# Altium PCB AMS_Remote_Module_A1.PcbDoc (part 2 of 3) (continued)
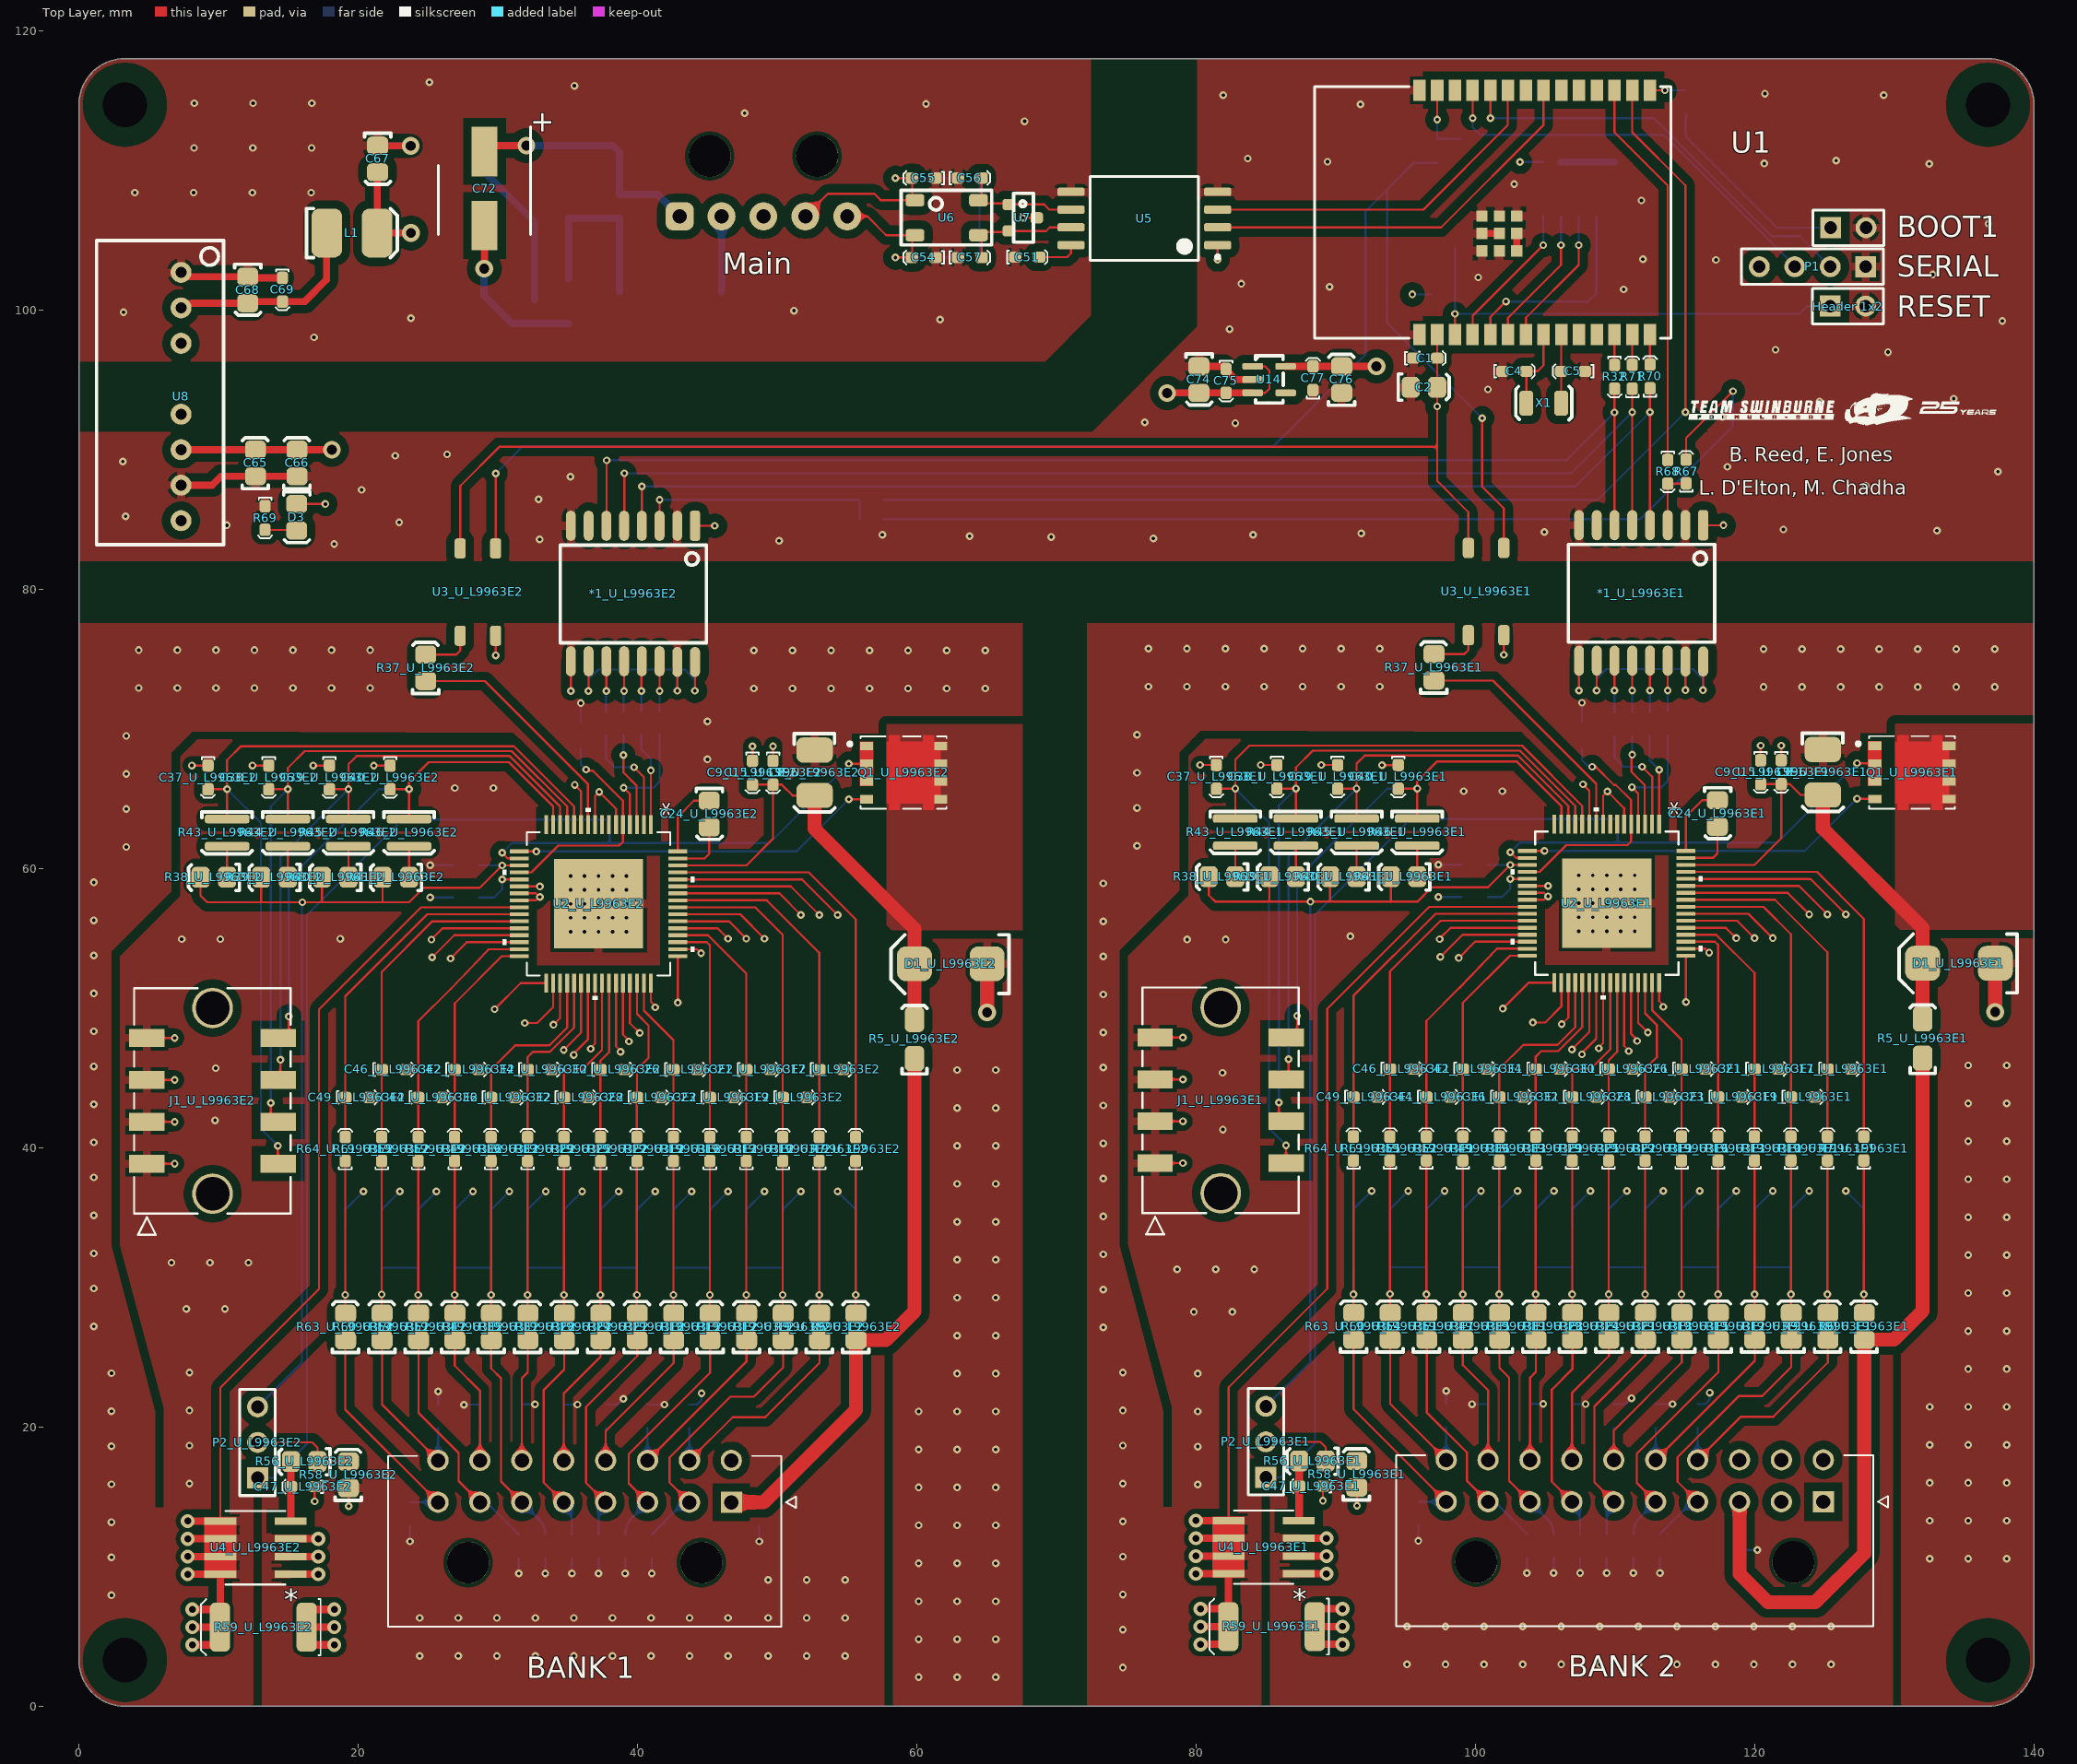
[diagram p0: Top Layer view]
## Nets (pads, with @x,y where several pads share a name; then routed paths per layer and width w, separated by ;. In a path a pad name is that pad's centre, name@x,y a point inside that pad or via, vN(x,y) a via of type N, cw(c..) or ccw(c..) an arc to the next point about the centre after c; other vN are vias at no path point) (continued)
B8_7_U_L9963E2: R28_U_L9963E2.2 R29_U_L9963E2.1 U2_U_L9963E2.44 | length 34.3
  Top Layer w0.152: R29_U_L9963E2.1@37.349,39.053 v1(37.348,29.464) 37.348,28.132 R28_U_L9963E2.2@37.364,28.116 ; U2_U_L9963E2.44@38.961,51.791 38.961,48.102 39.391,47.673 v1(39.391,47.613)
  Layer 2 w0.152: v1(37.348,29.464) 37.348,42.936 39.391,44.979 v1(39.391,47.613)
B10_9_U_L9963E1: R21_U_L9963E1.2 R22_U_L9963E1.1 U2_U_L9963E1.49 | length 35.3
  Top Layer w0.152: R22_U_L9963E1.1@114.757,39.091 114.756,29.502 114.756,28.174 R21_U_L9963E1.2@114.776,28.154 ; v1(115.075,50.432) U2_U_L9963E1.49@115.075,53.755
  Layer 2 w0.152: v1(114.756,29.502) 114.756,49.287 115.075,49.606 v1(115.075,50.432)
B10_9_U_L9963E2: R21_U_L9963E2.2 R22_U_L9963E2.1 U2_U_L9963E2.49 | length 35.3
  Top Layer w0.152: R22_U_L9963E2.1@42.57,39.053 42.569,29.464 42.569,28.136 R21_U_L9963E2.2@42.589,28.116 ; v1(42.888,50.394) U2_U_L9963E2.49@42.888,53.717
  Layer 2 w0.152: v1(42.569,29.464) 42.569,49.249 42.888,49.568 v1(42.888,50.394)
B12_11_U_L9963E1: R15_U_L9963E1.2 R16_U_L9963E1.1 U2_U_L9963E1.54 | length 41.9
  Top Layer w0.152: U2_U_L9963E1.54@115.075,56.255 118.735,56.255 v1(119.977,55.013) ; R16_U_L9963E1.1@119.977,39.091 v1(119.977,29.502) 119.977,28.178 R15_U_L9963E1.2@120.003,28.154
  Layer 2 w0.152: v1(119.977,29.502) v1(119.977,55.013)
B12_11_U_L9963E2: R15_U_L9963E2.2 R16_U_L9963E2.1 U2_U_L9963E2.54 | length 41.9
  Top Layer w0.152: U2_U_L9963E2.54@42.888,56.218 46.548,56.218 v1(47.79,54.976) ; R16_U_L9963E2.1@47.791,39.053 v1(47.79,29.464) 47.79,28.14 R15_U_L9963E2.2@47.817,28.116
  Layer 2 w0.152: v1(47.79,29.464) v1(47.79,54.976)
B14_13_U_L9963E1: R9_U_L9963E1.2 R10_U_L9963E1.1 U2_U_L9963E1.59 | length 49.1
  Top Layer w0.152: U2_U_L9963E1.59@115.075,58.756 123.164,58.756 v1(125.205,56.715) ; R10_U_L9963E1.1@125.198,39.091 125.199,39.09 v1(125.2,29.502) ; R9_U_L9963E1.2@125.226,28.154 125.2,28.18 v1(125.2,29.502) ; v1(125.2,29.502) v1(125.2,29.502)
  Layer 2 w0.152: v1(125.2,29.502) 125.202,29.504 v1@125.202,56.715
B14_13_U_L9963E2: R9_U_L9963E2.2 R10_U_L9963E2.1 U2_U_L9963E2.59 | length 49.1
  Top Layer w0.152: U2_U_L9963E2.59@42.888,58.718 50.977,58.718 v1(53.018,56.677) ; R10_U_L9963E2.1@53.011,39.053 53.012,39.052 v1(53.013,29.464) v1(53.013,29.464) 53.013,28.143 R9_U_L9963E2.2@53.04,28.116
  Layer 2 w0.152: v1(53.013,29.464) 53.016,29.467 v1@53.016,56.677
BANK_1_Cell_Tap_0: "BANK 1.8" C50_U_L9963E2.2 R63_U_L9963E2.1 | length 16.4
  Top Layer w0.152: R63_U_L9963E2.1@19.076,26.216 19.076,21.248 25.719,14.605
  Bottom Layer w0.152: C50_U_L9963E2.2@23.719,14.605 25.719,14.605
BANK_1_Cell_Tap_1: "BANK 1.16" C48_U_L9963E2.2 R60_U_L9963E2.1 | length 12.6
  Top Layer w0.152: R60_U_L9963E2.1@21.713,26.216 21.712,21.612 25.719,17.605
  Bottom Layer w0.152: 25.719,17.605 C48_U_L9963E2.2@25.719,19.905
BANK_1_Cell_Tap_2: "BANK 1.7" C45_U_L9963E2.2 R54_U_L9963E2.1 | length 17.1
  Top Layer w0.152: R54_U_L9963E2.1@24.323,26.216 24.323,21.016 27.194,18.145 27.194,16.13 28.719,14.605
  Bottom Layer w0.152: 28.719,14.605 cw(c28.719,13.453) 29.533,14.268 C45_U_L9963E2.2@31.496,12.305
BANK_1_Cell_Tap_3: "BANK 1.15" C43_U_L9963E2.2 R51_U_L9963E2.1 | length 11.7
  Top Layer w0.152: R51_U_L9963E2.1@26.914,26.216 26.914,24.394 28.719,22.589 28.719,17.605
  Bottom Layer w0.152: 28.719,17.605 C43_U_L9963E2.2@28.719,19.905
BANK_1_Cell_Tap_4: "BANK 1.6" C41_U_L9963E2.2 R47_U_L9963E2.1 | length 15.5
  Top Layer w0.152: R47_U_L9963E2.1@29.526,26.216 29.526,24.195 30.226,23.495 30.226,16.091 30.315,16.002 30.322,16.002 31.719,14.605
  Bottom Layer w0.152: 31.719,14.605 32.964,13.36 cw(c31.909,12.305) C41_U_L9963E2.2@33.401,12.305
BANK_1_Cell_Tap_5: "BANK 1.14" C35_U_L9963E2.2 R35_U_L9963E2.1 | length 11.1
  Top Layer w0.152: 31.719,17.605 31.719,23.489 32.139,23.909 R35_U_L9963E2.1@32.139,26.216
  Bottom Layer w0.152: 31.719,17.605 C35_U_L9963E2.2@31.719,19.905
BANK_1_Cell_Tap_6: "BANK 1.5" C33_U_L9963E2.2 R31_U_L9963E2.1 | length 15.3
  Top Layer w0.152: 34.719,14.605 33.274,16.05 33.274,22.631 34.752,24.109 R31_U_L9963E2.1@34.752,26.216
  Bottom Layer w0.152: 34.719,14.605 cw(c33.302,13.188) 35.306,13.188 C33_U_L9963E2.2@35.306,12.305
BANK_1_Cell_Tap_7: "BANK 1.13" C31_U_L9963E2.2 R28_U_L9963E2.1 | length 12
  Top Layer w0.152: 34.719,17.605 34.719,22.4 37.364,25.045 R28_U_L9963E2.1@37.364,26.216
  Bottom Layer w0.152: 34.719,17.605 C31_U_L9963E2.2@34.719,19.905
BANK_1_Cell_Tap_8: "BANK 1.4" C29_U_L9963E2.2 R24_U_L9963E2.1 | length 16.1
  Top Layer w0.152: 37.719,14.605 36.322,16.002 36.322,21.438 39.977,25.092 R24_U_L9963E2.1@39.977,26.216
  Bottom Layer w0.152: C29_U_L9963E2.2@37.211,12.305 37.211,13.379 cw(c38.945,13.379) 37.719,14.605
BANK_1_Cell_Tap_9: "BANK 1.12" C27_U_L9963E2.2 R21_U_L9963E2.1 | length 12.9
  Top Layer w0.152: 37.719,17.605 37.719,19.71 42.589,24.581 R21_U_L9963E2.1@42.589,26.216
  Bottom Layer w0.152: 37.719,17.605 C27_U_L9963E2.2@37.719,19.905
BANK_1_Cell_Tap_10: "BANK 1.3" C25_U_L9963E2.2 R18_U_L9963E2.1 | length 17.5
  Top Layer w0.152: 40.719,14.605 39.37,15.954 39.37,18.059 45.202,23.891 R18_U_L9963E2.1@45.202,26.216
  Bottom Layer w0.152: C25_U_L9963E2.2@39.116,12.305 cw(c40.799,12.305) 39.609,13.495 40.719,14.605
BANK_1_Cell_Tap_11: "BANK 1.11" C22_U_L9963E2.2 R15_U_L9963E2.1 | length 13.9
  Top Layer w0.152: 40.719,17.605 47.814,24.7 R15_U_L9963E2.1@47.817,26.216
  Bottom Layer w0.152: 40.719,17.605 C22_U_L9963E2.2@40.719,19.905
BANK_1_Cell_Tap_12: "BANK 1.2" C20_U_L9963E2.2 R12_U_L9963E2.1 | length 20.2
  Top Layer w0.152: 43.719,14.605 42.291,16.033 42.291,17.805 46.654,22.169 48.331,22.169 50.427,24.265 R12_U_L9963E2.1@50.427,26.216
  Bottom Layer w0.152: C20_U_L9963E2.2@41.021,12.305 43.04,14.324 cw(c43.719,13.644) 43.719,14.605
BANK_1_Cell_Tap_13: "BANK 1.10" C18_U_L9963E2.2 R9_U_L9963E2.1 | length 16.1
  Top Layer w0.152: 43.719,17.605 46.815,20.701 49.149,20.701 53.04,24.592 R9_U_L9963E2.1@53.04,26.216
  Bottom Layer w0.152: 43.719,17.605 C18_U_L9963E2.2@43.719,19.905
BANK_1_Cell_Tap_14: "BANK 1.1" C16_U_L9963E2.2 R5_U_L9963E2.1 R6_U_L9963E2.1 | length 41.8
  Top Layer w1: 46.719,14.605 49.047,14.605 55.652,21.21 R6_U_L9963E2.1@55.652,26.216 ; R6_U_L9963E2.1@55.647,26.216 R6_U_L9963E2.1@55.652,26.216 ; R5_U_L9963E2.1@59.833,46.384 59.833,28.261 57.788,26.216 R6_U_L9963E2.1@55.652,26.216
  Bottom Layer w0.152: 46.719,14.605 C16_U_L9963E2.2@48.719,14.605
BANK_2_Cell_Tap_0: "BANK 2.10" C50_U_L9963E1.2 R63_U_L9963E1.1 | length 16.4
  Top Layer w0.152: R63_U_L9963E1.1@91.263,26.254 91.263,21.285 97.906,14.643
  Bottom Layer w0.152: C50_U_L9963E1.2@95.906,14.643 97.906,14.643
BANK_2_Cell_Tap_1: "BANK 2.20" C48_U_L9963E1.2 R60_U_L9963E1.1 | length 12.6
  Top Layer w0.152: R60_U_L9963E1.1@93.899,26.254 93.899,21.649 97.906,17.643
  Bottom Layer w0.152: 97.906,17.643 C48_U_L9963E1.2@97.906,19.943
BANK_2_Cell_Tap_2: "BANK 2.9" C45_U_L9963E1.2 R54_U_L9963E1.1 | length 17.1
  Top Layer w0.152: R54_U_L9963E1.1@96.51,26.254 96.51,21.053 99.381,18.183 99.381,16.168 100.906,14.643
  Bottom Layer w0.152: 100.906,14.643 cw(c100.906,13.491) 101.72,14.305 C45_U_L9963E1.2@103.683,12.343
BANK_2_Cell_Tap_3: "BANK 2.19" C43_U_L9963E1.2 R51_U_L9963E1.1 | length 11.7
  Top Layer w0.152: R51_U_L9963E1.1@99.101,26.254 99.101,24.432 100.906,22.627 100.906,17.643
  Bottom Layer w0.152: 100.906,17.643 C43_U_L9963E1.2@100.906,19.943
BANK_2_Cell_Tap_4: "BANK 2.8" C41_U_L9963E1.2 R47_U_L9963E1.1 | length 15.5
  Top Layer w0.152: R47_U_L9963E1.1@101.713,26.254 101.713,24.232 102.413,23.533 102.413,16.129 102.502,16.04 102.509,16.04 103.906,14.643
  Bottom Layer w0.152: 103.906,14.643 105.151,13.398 cw(c104.096,12.343) C41_U_L9963E1.2@105.588,12.343
BANK_2_Cell_Tap_5: "BANK 2.18" C35_U_L9963E1.2 R35_U_L9963E1.1 | length 11.1
  Top Layer w0.152: 103.906,17.643 103.906,23.527 104.326,23.947 R35_U_L9963E1.1@104.326,26.254
  Bottom Layer w0.152: 103.906,17.643 C35_U_L9963E1.2@103.906,19.943
BANK_2_Cell_Tap_6: "BANK 2.7" C33_U_L9963E1.2 R31_U_L9963E1.1 | length 15.3
  Top Layer w0.152: 106.906,14.643 105.461,16.088 105.461,22.669 106.938,24.147 R31_U_L9963E1.1@106.938,26.254
  Bottom Layer w0.152: 106.906,14.643 cw(c105.489,13.225) 107.493,13.225 C33_U_L9963E1.2@107.493,12.343
BANK_2_Cell_Tap_7: "BANK 2.17" C31_U_L9963E1.2 R28_U_L9963E1.1 | length 12
  Top Layer w0.152: 106.906,17.643 106.906,22.438 109.551,25.083 R28_U_L9963E1.1@109.551,26.254
  Bottom Layer w0.152: 106.906,17.643 C31_U_L9963E1.2@106.906,19.943
BANK_2_Cell_Tap_8: "BANK 2.6" C29_U_L9963E1.2 R24_U_L9963E1.1 | length 16.1
  Top Layer w0.152: 109.906,14.643 108.509,16.04 108.509,21.475 112.164,25.13 R24_U_L9963E1.1@112.164,26.254
  Bottom Layer w0.152: C29_U_L9963E1.2@109.398,12.343 109.398,13.416 cw(c111.132,13.416) 109.906,14.643
BANK_2_Cell_Tap_9: "BANK 2.16" C27_U_L9963E1.2 R21_U_L9963E1.1 | length 12.9
  Top Layer w0.152: 109.906,17.643 109.906,19.748 114.776,24.618 R21_U_L9963E1.1@114.776,26.254
  Bottom Layer w0.152: 109.906,17.643 C27_U_L9963E1.2@109.906,19.943
BANK_2_Cell_Tap_10: "BANK 2.5" C25_U_L9963E1.2 R18_U_L9963E1.1 | length 17.5
  Top Layer w0.152: 112.906,14.643 111.557,15.992 111.557,18.097 117.389,23.929 R18_U_L9963E1.1@117.389,26.254
  Bottom Layer w0.152: C25_U_L9963E1.2@111.303,12.343 cw(c112.986,12.343) 111.796,13.532 112.906,14.643
BANK_2_Cell_Tap_11: "BANK 2.15" C22_U_L9963E1.2 R15_U_L9963E1.1 | length 13.9
  Top Layer w0.152: 112.906,17.643 120.001,24.738 R15_U_L9963E1.1@120.003,26.254
  Bottom Layer w0.152: 112.906,17.643 C22_U_L9963E1.2@112.906,19.943
BANK_2_Cell_Tap_12: "BANK 2.4" C20_U_L9963E1.2 R12_U_L9963E1.1 | length 20.2
  Top Layer w0.152: 115.906,14.643 114.478,16.071 114.478,17.843 118.841,22.206 120.518,22.206 122.614,24.303 R12_U_L9963E1.1@122.614,26.254
  Bottom Layer w0.152: C20_U_L9963E1.2@113.208,12.343 115.226,14.361 cw(c115.906,13.682) 115.906,14.643
BANK_2_Cell_Tap_13: "BANK 2.14" C18_U_L9963E1.2 R9_U_L9963E1.1 | length 16.1
  Top Layer w0.152: 115.906,17.643 119.002,20.739 121.336,20.739 125.226,24.629 R9_U_L9963E1.1@125.226,26.254
  Bottom Layer w0.152: 115.906,17.643 C18_U_L9963E1.2@115.906,19.943
BANK_2_Cell_Tap_14: "BANK 2.3" C16_U_L9963E1.2 R5_U_L9963E1.1 R6_U_L9963E1.1 | length 56.6
  Top Layer w1: 118.906,14.643 118.906,9.476 120.939,7.442 124.332,7.442 127.839,10.949 R6_U_L9963E1.1@127.839,26.254 ; R6_U_L9963E1.1@127.834,26.254 R6_U_L9963E1.1@127.839,26.254 ; R5_U_L9963E1.1@132.02,46.422 132.02,28.299 129.975,26.254 R6_U_L9963E1.1@127.839,26.254
  Bottom Layer w0.152: C16_U_L9963E1.2@118.906,12.893 118.906,14.643
BMS_5V_U_L9963E1: *1_U_L9963E1.10 *1_U_L9963E1.16 | length 14.1
  Top Layer w0.152: v1@108.687,72.758 *1_U_L9963E1.10@108.687,74.88 ; v1@116.307,72.732 *1_U_L9963E1.16@116.307,74.829
  Bottom Layer w0.152: v1(108.674,72.746) 108.674,73.583 109.372,74.282 115.57,74.282 116.294,73.558 v1(116.294,72.77)
BMS_5V_U_L9963E2: *1_U_L9963E2.10 *1_U_L9963E2.16 | length 14.1
  Top Layer w0.152: v1@36.5,72.72 *1_U_L9963E2.10@36.5,74.843 ; v1@44.12,72.695 *1_U_L9963E2.16@44.12,74.791
  Bottom Layer w0.152: v1(36.487,72.708) 36.487,73.546 37.186,74.244 43.383,74.244 44.107,73.52 v1(44.107,72.733)
BMS_FAULT: C7.2 R3.1 U1.27 | length 5.1
  Top Layer w0.152: v1(97.257,113.64) U1.27@97.257,115.736
  Bottom Layer w0.152: v1(97.257,113.64) R3.1@97.257,112.243 C7.2@98.908,112.243
BOOT0: BOOT1.1 R1.2 | length 14.7
  Bottom Layer w0.152: R1.2@115.062,114.036 115.062,112.395 121.564,105.893 BOOT1.1@125.425,105.893
C0_U_L9963E1: C49_U_L9963E1.1 R64_U_L9963E1.2 U2_U_L9963E1.26 | length 25
  Top Layer w0.152: R64_U_L9963E1.2@91.263,40.791 C49_U_L9963E1.1@91.263,43.638 91.263,50.877 97.141,56.755 U2_U_L9963E1.26@103.721,56.755
C0_U_L9963E2: C49_U_L9963E2.1 R64_U_L9963E2.2 U2_U_L9963E2.26 | length 25
  Top Layer w0.152: R64_U_L9963E2.2@19.076,40.753 C49_U_L9963E2.1@19.076,43.6 19.076,50.839 24.955,56.718 U2_U_L9963E2.26@31.534,56.718
C1_U_L9963E1: C46_U_L9963E1.1 C49_U_L9963E1.2 R61_U_L9963E1.2 U2_U_L9963E1.27 | length 24.1
  Top Layer w0.152: C49_U_L9963E1.2@92.963,43.638 93.873,43.638 ; R61_U_L9963E1.2@93.873,40.791 93.873,43.637 ; U2_U_L9963E1.27@103.721,56.255 97.505,56.255 93.873,52.624 C46_U_L9963E1.1@93.873,45.638 93.873,43.637
C1_U_L9963E2: C46_U_L9963E2.1 C49_U_L9963E2.2 R61_U_L9963E2.2 U2_U_L9963E2.27 | length 24.1
  Top Layer w0.152: C49_U_L9963E2.2@20.776,43.6 21.686,43.6 ; R61_U_L9963E2.2@21.686,40.753 21.686,43.6 C46_U_L9963E2.1@21.686,45.6 21.686,52.586 25.318,56.218 U2_U_L9963E2.27@31.534,56.218
C2_U_L9963E1: C44_U_L9963E1.1 C46_U_L9963E1.2 R55_U_L9963E1.2 U2_U_L9963E1.31 | length 18.8
  Top Layer w0.152: C46_U_L9963E1.2@95.573,45.638 96.452,45.638 96.484,45.669 ; R55_U_L9963E1.2@96.484,40.791 C44_U_L9963E1.1@96.484,43.638 96.484,45.669 ; U2_U_L9963E1.31@103.848,54.255 101.541,54.255 101.497,54.21 ccw(c101.604,54.103) 101.496,54.209 98.836,51.433 96.484,49.081 96.484,45.669
C2_U_L9963E2: C44_U_L9963E2.1 C46_U_L9963E2.2 R55_U_L9963E2.2 U2_U_L9963E2.31 | length 18.8
  Top Layer w0.152: C46_U_L9963E2.2@23.386,45.6 24.265,45.6 24.297,45.632 ; R55_U_L9963E2.2@24.297,40.753 C44_U_L9963E2.1@24.297,43.6 24.297,45.632 ; U2_U_L9963E2.31@31.661,54.217 29.355,54.217 29.31,54.173 ccw(c29.418,54.065) 29.309,54.172 26.649,51.396 24.297,49.044 24.297,45.632
C3_U_L9963E1: C42_U_L9963E1.1 C44_U_L9963E1.2 R52_U_L9963E1.2 U2_U_L9963E1.32 | length 16.6
  Top Layer w0.152: C44_U_L9963E1.2@98.184,43.638 99.094,43.638 ; R52_U_L9963E1.2@99.094,40.791 99.094,43.637 C42_U_L9963E1.1@99.094,45.638 99.094,50.377 102.472,53.755 U2_U_L9963E1.32@103.721,53.755 U2_U_L9963E1.32@103.848,53.755
C3_U_L9963E2: C42_U_L9963E2.1 C44_U_L9963E2.2 R52_U_L9963E2.2 U2_U_L9963E2.32 | length 16.6
  Top Layer w0.152: C44_U_L9963E2.2@25.997,43.6 26.907,43.6 ; R52_U_L9963E2.2@26.907,40.753 26.907,43.6 C42_U_L9963E2.1@26.907,45.6 26.907,50.339 30.285,53.717 U2_U_L9963E2.32@31.534,53.717 U2_U_L9963E2.32@31.661,53.717
C4_U_L9963E1: C36_U_L9963E1.1 C42_U_L9963E1.2 R49_U_L9963E1.2 U2_U_L9963E1.36 | length 15.6
  Top Layer w0.152: C42_U_L9963E1.2@100.794,45.638 101.698,45.638 101.704,45.644 ; R49_U_L9963E1.2@101.704,40.791 C36_U_L9963E1.1@101.704,43.638 101.704,45.644 ; U2_U_L9963E1.36@107.147,51.829 107.147,48.642 105.876,47.371 103.432,47.371 101.704,45.644
C4_U_L9963E2: C36_U_L9963E2.1 C42_U_L9963E2.2 R49_U_L9963E2.2 U2_U_L9963E2.36 | length 15.6
  Top Layer w0.152: C42_U_L9963E2.2@28.607,45.6 29.511,45.6 29.518,45.606 ; R49_U_L9963E2.2@29.518,40.753 C36_U_L9963E2.1@29.518,43.6 29.518,45.606 ; U2_U_L9963E2.36@34.96,51.791 34.96,48.605 33.689,47.333 31.245,47.333 29.518,45.606
C5_U_L9963E1: C34_U_L9963E1.1 C36_U_L9963E1.2 R36_U_L9963E1.2 U2_U_L9963E1.37 | length 14
  Top Layer w0.152: C36_U_L9963E1.2@103.404,43.638 104.314,43.638 ; R36_U_L9963E1.2@104.315,40.791 104.315,43.637 C34_U_L9963E1.1@104.315,45.638 104.315,46.53 104.699,46.914 105.921,46.914 107.647,48.64 U2_U_L9963E1.37@107.647,51.829
C5_U_L9963E2: C34_U_L9963E2.1 C36_U_L9963E2.2 R36_U_L9963E2.2 U2_U_L9963E2.37 | length 14
  Top Layer w0.152: C36_U_L9963E2.2@31.218,43.6 32.128,43.6 ; R36_U_L9963E2.2@32.128,40.753 32.128,43.6 C34_U_L9963E2.1@32.128,45.6 32.128,46.492 32.512,46.876 33.734,46.876 35.461,48.602 U2_U_L9963E2.37@35.461,51.791
C6_U_L9963E1: C32_U_L9963E1.1 C34_U_L9963E1.2 R33_U_L9963E1.2 U2_U_L9963E1.41 | length 13.9
  Top Layer w0.152: C34_U_L9963E1.2@106.015,45.638 106.919,45.638 106.925,45.644 C32_U_L9963E1.1@106.925,43.638 R33_U_L9963E1.2@106.925,40.791 ; 106.925,45.638 108.241,45.638 109.648,47.045 U2_U_L9963E1.41@109.648,51.829
C6_U_L9963E2: C32_U_L9963E2.1 C34_U_L9963E2.2 R33_U_L9963E2.2 U2_U_L9963E2.41 | length 13.9
  Top Layer w0.152: C34_U_L9963E2.2@33.828,45.6 34.732,45.6 34.738,45.606 C32_U_L9963E2.1@34.738,43.6 R33_U_L9963E2.2@34.738,40.753 ; 34.738,45.6 36.054,45.6 37.461,47.007 U2_U_L9963E2.41@37.461,51.791
C7_U_L9963E1: C30_U_L9963E1.1 C32_U_L9963E1.2 R29_U_L9963E1.2 U2_U_L9963E1.42 | length 12.2
  Top Layer w0.152: C32_U_L9963E1.2@108.625,43.638 109.535,43.638 ; R29_U_L9963E1.2@109.536,40.791 109.536,43.637 109.536,46.266 110.148,46.878 U2_U_L9963E1.42@110.148,51.829
C7_U_L9963E2: C30_U_L9963E2.1 C32_U_L9963E2.2 R29_U_L9963E2.2 U2_U_L9963E2.42 | length 12.2
  Top Layer w0.152: C32_U_L9963E2.2@36.438,43.6 37.349,43.6 ; R29_U_L9963E2.2@37.349,40.753 37.349,43.6 37.349,46.228 37.961,46.84 U2_U_L9963E2.42@37.961,51.791
C8_U_L9963E1: C28_U_L9963E1.1 C30_U_L9963E1.2 R25_U_L9963E1.2 U2_U_L9963E1.46 | length 12.6
  Top Layer w0.152: C30_U_L9963E1.2@111.236,45.638 112.142,45.638 112.148,45.644 ; R25_U_L9963E1.2@112.146,40.791 C28_U_L9963E1.1@112.146,43.638 112.148,43.64 112.148,45.644 ; U2_U_L9963E1.46@112.148,51.829 112.148,49.624 112.979,48.793 112.979,46.475 112.148,45.644
C8_U_L9963E2: C28_U_L9963E2.1 C30_U_L9963E2.2 R25_U_L9963E2.2 U2_U_L9963E2.46 | length 12.6
  Top Layer w0.152: C30_U_L9963E2.2@39.049,45.6 39.955,45.6 39.962,45.606 ; R25_U_L9963E2.2@39.959,40.753 C28_U_L9963E2.1@39.959,43.6 39.962,43.602 39.962,45.606 ; U2_U_L9963E2.46@39.962,51.791 39.962,49.587 40.792,48.756 40.792,46.437 39.962,45.606
C9_U_L9963E1: C26_U_L9963E1.1 C28_U_L9963E1.2 R22_U_L9963E1.2 U2_U_L9963E1.47 | length 12.8
  Top Layer w0.152: U2_U_L9963E1.47@112.649,51.829 112.649,49.861 114.757,47.753 C26_U_L9963E1.1@114.757,45.638 114.757,43.663 ; C28_U_L9963E1.2@113.846,43.638 113.871,43.663 114.757,43.663 ; R22_U_L9963E1.2@114.757,40.791 114.757,43.663
C9_U_L9963E2: C26_U_L9963E2.1 C28_U_L9963E2.2 R22_U_L9963E2.2 U2_U_L9963E2.47 | length 12.8
  Top Layer w0.152: U2_U_L9963E2.47@40.462,51.791 40.462,49.823 42.57,47.715 C26_U_L9963E2.1@42.57,45.6 42.57,43.625 ; C28_U_L9963E2.2@41.659,43.6 41.684,43.625 42.57,43.625 ; R22_U_L9963E2.2@42.57,40.753 42.57,43.625
C10_U_L9963E1: C23_U_L9963E1.1 C26_U_L9963E1.2 R19_U_L9963E1.2 U2_U_L9963E1.51 | length 17
  Top Layer w0.152: U2_U_L9963E1.51@115.075,54.755 117.152,54.755 117.367,54.54 117.367,45.644 ; C26_U_L9963E1.2@116.457,45.638 117.361,45.638 117.367,45.644 ; R19_U_L9963E1.2@117.367,40.791 C23_U_L9963E1.1@117.367,43.638 117.367,45.644
C10_U_L9963E2: C23_U_L9963E2.1 C26_U_L9963E2.2 R19_U_L9963E2.2 U2_U_L9963E2.51 | length 17
  Top Layer w0.152: U2_U_L9963E2.51@42.888,54.717 44.965,54.717 45.18,54.503 45.18,45.606 ; C26_U_L9963E2.2@44.27,45.6 45.174,45.6 45.18,45.606 ; R19_U_L9963E2.2@45.18,40.753 C23_U_L9963E2.1@45.18,43.6 45.18,45.606
C11_U_L9963E1: C21_U_L9963E1.1 C23_U_L9963E1.2 R16_U_L9963E1.2 U2_U_L9963E1.52 | length 18.7
  Top Layer w0.152: U2_U_L9963E1.52@115.075,55.255 117.236,55.255 119.977,52.514 C21_U_L9963E1.1@119.977,45.638 119.977,43.637 ; C23_U_L9963E1.2@119.067,43.638 119.977,43.638 ; R16_U_L9963E1.2@119.977,40.791 119.977,43.637
C11_U_L9963E2: C21_U_L9963E2.1 C23_U_L9963E2.2 R16_U_L9963E2.2 U2_U_L9963E2.52 | length 18.7
  Top Layer w0.152: U2_U_L9963E2.52@42.888,55.217 45.05,55.217 47.791,52.476 C21_U_L9963E2.1@47.791,45.6 47.791,43.6 R16_U_L9963E2.2@47.791,40.753 ; C23_U_L9963E2.2@46.88,43.6 47.79,43.6
C12_U_L9963E1: C19_U_L9963E1.1 C21_U_L9963E1.2 R13_U_L9963E1.2 U2_U_L9963E1.56 | length 23.7
  Top Layer w0.152: U2_U_L9963E1.56@115.075,57.256 120.621,57.256 122.588,55.288 122.588,45.644 ; C21_U_L9963E1.2@121.677,45.638 122.582,45.638 122.588,45.644 ; R13_U_L9963E1.2@122.588,40.791 C19_U_L9963E1.1@122.588,43.638 122.588,45.644
C12_U_L9963E2: C19_U_L9963E2.1 C21_U_L9963E2.2 R13_U_L9963E2.2 U2_U_L9963E2.56 | length 23.7
  Top Layer w0.152: U2_U_L9963E2.56@42.888,57.218 48.434,57.218 50.401,55.251 50.401,45.606 ; C21_U_L9963E2.2@49.491,45.6 50.395,45.6 50.401,45.606 ; R13_U_L9963E2.2@50.401,40.753 C19_U_L9963E2.1@50.401,43.6 50.401,45.606
C13_U_L9963E1: C17_U_L9963E1.1 C19_U_L9963E1.2 R10_U_L9963E1.2 U2_U_L9963E1.57 | length 25.8
  Top Layer w0.152: U2_U_L9963E1.57@115.075,57.756 121.441,57.756 125.202,53.995 C17_U_L9963E1.1@125.202,45.638 125.202,43.637 ; C19_U_L9963E1.2@124.288,43.638 125.202,43.638 ; R10_U_L9963E1.2@125.202,40.791 125.202,43.637
C13_U_L9963E2: C17_U_L9963E2.1 C19_U_L9963E2.2 R10_U_L9963E2.2 U2_U_L9963E2.57 | length 25.8
  Top Layer w0.152: U2_U_L9963E2.57@42.888,57.718 49.255,57.718 53.015,53.957 C17_U_L9963E2.1@53.015,45.6 53.015,43.6 R10_U_L9963E2.2@53.015,40.753 ; C19_U_L9963E2.2@52.101,43.6 53.015,43.6
C14_U_L9963E1: C17_U_L9963E1.2 R7_U_L9963E1.2 U2_U_L9963E1.61 | length 30.6
  Top Layer w0.152: U2_U_L9963E1.61@115.075,59.756 124.449,59.756 127.813,56.393 127.813,45.644 ; C17_U_L9963E1.2@126.902,45.638 127.807,45.638 127.813,45.644 ; R7_U_L9963E1.2@127.813,40.791 127.813,45.644
C14_U_L9963E2: C17_U_L9963E2.2 R7_U_L9963E2.2 U2_U_L9963E2.61 | length 30.6
  Top Layer w0.152: U2_U_L9963E2.61@42.888,59.719 52.262,59.719 55.626,56.355 55.626,45.606 ; C17_U_L9963E2.2@54.715,45.6 55.62,45.6 55.626,45.606 ; R7_U_L9963E2.2@55.626,40.753 55.626,45.606
CAN1_RX: U1.23 U5.3 | length 25.8
  Top Layer w0.152: U5.3@81.544,107.188 96.266,107.188 102.311,113.233 U1.23@102.311,115.736
CAN1_TX: U1.21 U5.2 | length 28.9
  Top Layer w0.152: U5.2@81.544,105.918 97.536,105.918 104.877,113.259 U1.21@104.877,115.736
CAN1F_N: C56.2 U5.6 U6.3 U7.1 | length 8.7
  Top Layer w0.152: C56.2@64.643,109.449 64.643,107.859 U6.3@64.418,107.859 64.868,107.634 66.339,107.634 U7.1@66.589,107.554 69.129,107.554 69.494,107.188 U5.6@71.044,107.188
CAN1F_P: C57.2 U5.7 U6.4 U7.2 | length 8.6
  Top Layer w0.152: C57.2@64.643,103.759 64.643,105.359 U6.4@64.418,105.359 64.868,105.584 66.339,105.584 U7.2@66.589,105.654 69.256,105.654 69.52,105.918 U5.7@71.044,105.918
CAN_H: C54.2 Main.5 R65.2 U6.1 | length 12.4
  Top Layer w0.152: Main.5@55.016,106.706 56.463,106.706 57.81,105.359 U6.1@59.868,105.359 59.671,105.134 59.671,103.959 C54.2@59.643,103.759 v1(58.471,103.759)
  Bottom Layer w0.152: v1(58.471,103.759) R65.2@62.564,103.759
CAN_L: C55.2 Main.4 R66.1 U6.2 | length 15.7
  Top Layer w0.152: Main.4@52.016,106.706 53.641,108.331 56.947,108.331 57.419,107.859 U6.2@59.868,107.859 59.671,108.084 59.671,109.249 C55.2@59.643,109.449 v1(58.471,109.449)
  Bottom Layer w0.152: v1(58.471,109.449) R66.1@62.589,109.449
CLK_BMS_U_L9963E1: R73_U_L9963E1.1 U2_U_L9963E1.1 | length 6.6
  Top Layer w0.152: U2_U_L9963E1.1@113.149,63.182 v1(113.149,67.064)
  Bottom Layer w0.152: R73_U_L9963E1.1@112.497,69.471 112.471,69.445 112.471,67.742 v1(113.149,67.064)
CLK_BMS_U_L9963E2: R73_U_L9963E2.1 U2_U_L9963E2.1 | length 6.7
  Top Layer w0.152: U2_U_L9963E2.1@40.962,63.145 v1(40.962,67.027)
  Bottom Layer w0.152: R73_U_L9963E2.1@40.284,69.545 40.284,68.529 40.962,67.852 v1(40.962,67.027)
CS_BMS_U_L9963E1: R72_U_L9963E1.1 U2_U_L9963E1.4 | length 8.8
  Top Layer w0.152: v1(111.201,65.824) 111.648,65.376 U2_U_L9963E1.4@111.648,63.182
  Bottom Layer w0.152: v1(111.201,65.824) 113.335,65.824 113.767,66.255 R72_U_L9963E1.1@113.767,69.471
CS_BMS_U_L9963E2: R72_U_L9963E2.1 U2_U_L9963E2.4 | length 9
  Top Layer w0.152: v1(39.014,65.786) 39.462,65.339 U2_U_L9963E2.4@39.462,63.145
  Bottom Layer w0.152: v1(39.014,65.786) 41.148,65.786 41.58,66.218 R72_U_L9963E2.1@41.58,69.628
FAULTH_U_L9963E1: R37_U_L9963E1.2 U3_U_L9963E1.1 | length 3.6
  Top Layer w0.152: R37_U_L9963E1.2@97.029,75.36 99.211,75.36 99.492,75.641 U3_U_L9963E1.1@99.492,76.708
FAULTH_U_L9963E2: R37_U_L9963E2.2 U3_U_L9963E2.1 | length 3.6
  Top Layer w0.152: R37_U_L9963E2.2@24.842,75.322 27.024,75.322 27.305,75.604 U3_U_L9963E2.1@27.305,76.67
GLV+: F1.1 Main.2 | length 5.4
  Bottom Layer w0.508: F1.1@46.016,101.298 Main.2@46.016,106.706
GLV-: C70.1 C71.1 C72.1 D4.A Main.1 U12.4 | length 33.6
  Top Layer w0.508: C72.1@29.058,111.345 29.482,111.769 v3(32.041,111.769)
  Bottom Layer w0.508: C71.1@32.614,100.735 32.614,106.299 29.01,109.902 U12.4@29.01,111.769 v3(32.041,111.769) D4.A@35.072,111.769 38.243,111.769 38.716,111.296 C70.1@38.716,108.269 41.453,108.269 Main.1@43.016,106.706
MISO_BMS_U_L9963E1: R75_U_L9963E1.1 U2_U_L9963E1.2 | length 8.2
  Top Layer w0.152: v1(111.938,67.285) 112.649,66.574 U2_U_L9963E1.2@112.649,63.182
  Bottom Layer w0.152: R75_U_L9963E1.1@109.957,69.445 109.957,67.945 110.617,67.285 v1(111.938,67.285)
MISO_BMS_U_L9963E2: R75_U_L9963E2.1 U2_U_L9963E2.2 | length 8.3
  Top Layer w0.152: v1(39.751,67.247) 40.462,66.536 U2_U_L9963E2.2@40.462,63.145
  Bottom Layer w0.152: R75_U_L9963E2.1@37.744,69.556 37.744,67.869 38.366,67.247 v1(39.751,67.247)
MOSI_BMS_U_L9963E1: R74_U_L9963E1.1 U2_U_L9963E1.3 | length 6.7
  Top Layer w0.152: v1(111.227,68.148) 111.176,68.097 111.176,66.916 112.116,65.976 112.116,63.215 U2_U_L9963E1.3@112.148,63.182
  Bottom Layer w0.152: v1(111.227,68.148) R74_U_L9963E1.1@111.227,69.445
MOSI_BMS_U_L9963E2: R74_U_L9963E2.1 U2_U_L9963E2.3 | length 6.8
  Top Layer w0.152: v1(38.989,68.123) 38.989,66.878 39.929,65.938 39.929,63.177 U2_U_L9963E2.3@39.962,63.145
  Bottom Layer w0.152: v1(38.989,68.123) R74_U_L9963E2.1@38.989,69.548
Net*1_U_L9963E1_11: *1_U_L9963E1.11 R75_U_L9963E1.2 | length 3.7
  Top Layer w0.152: v1(109.957,72.746) *1_U_L9963E1.11@109.957,74.88
  Bottom Layer w0.152: R75_U_L9963E1.2@109.957,71.145 v1(109.957,72.746)
Net*1_U_L9963E1_12: *1_U_L9963E1.12 R74_U_L9963E1.2 | length 3.7
  Top Layer w0.152: v1(111.227,72.746) *1_U_L9963E1.12@111.227,74.88
  Bottom Layer w0.152: R74_U_L9963E1.2@111.227,71.145 v1(111.227,72.746)
Net*1_U_L9963E1_13: *1_U_L9963E1.13 R73_U_L9963E1.2 | length 3.7
  Top Layer w0.152: v1(112.497,72.746) *1_U_L9963E1.13@112.497,74.88
  Bottom Layer w0.152: R73_U_L9963E1.2@112.497,71.171 v1(112.497,72.746)
Net*1_U_L9963E1_14: *1_U_L9963E1.14 R72_U_L9963E1.2 | length 3.7
  Top Layer w0.152: v1(113.767,72.746) *1_U_L9963E1.14@113.767,74.88
  Bottom Layer w0.152: R72_U_L9963E1.2@113.767,71.171 v1(113.767,72.746)
Net*1_U_L9963E2_11: *1_U_L9963E2.11 R75_U_L9963E2.2 | length 3.6
  Top Layer w0.152: v1(37.77,72.708) *1_U_L9963E2.11@37.77,74.843
  Bottom Layer w0.152: R75_U_L9963E2.2@37.744,71.256 v1@37.744,72.708
Net*1_U_L9963E2_12: *1_U_L9963E2.12 R74_U_L9963E2.2 | length 3.6
  Top Layer w0.152: v1(39.04,72.708) *1_U_L9963E2.12@39.04,74.843
  Bottom Layer w0.152: R74_U_L9963E2.2@38.989,71.248 v1@38.989,72.708
Net*1_U_L9963E2_13: *1_U_L9963E2.13 R73_U_L9963E2.2 | length 3.6
  Top Layer w0.152: v1(40.284,72.708) *1_U_L9963E2.13@40.284,74.843
  Bottom Layer w0.152: R73_U_L9963E2.2@40.284,71.245 v1(40.284,72.708)
Net*1_U_L9963E2_14: *1_U_L9963E2.14 R72_U_L9963E2.2 | length 3.5
  Top Layer w0.152: v1@41.58,72.733 *1_U_L9963E2.14@41.58,74.792
  Bottom Layer w0.152: R72_U_L9963E2.2@41.58,71.222 v1(41.58,72.708)
NetC24_U_L9963E1_1: C24_U_L9963E1.1 U2_U_L9963E1.64 | length 5.2
  Top Layer w0.152: U2_U_L9963E1.64@115.075,61.257 115.075,63.728 116.235,64.889 C24_U_L9963E1.1@117.322,64.889
NetC24_U_L9963E1_2: C24_U_L9963E1.2 U2_U_L9963E1.63 | length 4.3
  Top Layer w0.152: U2_U_L9963E1.63@115.075,60.756 116.992,60.756 117.322,61.086 C24_U_L9963E1.2@117.322,62.989
NetC24_U_L9963E2_1: C24_U_L9963E2.1 U2_U_L9963E2.64 | length 5.2
  Top Layer w0.152: U2_U_L9963E2.64@42.888,61.219 42.888,63.691 44.048,64.851 C24_U_L9963E2.1@45.135,64.851
NetC24_U_L9963E2_2: C24_U_L9963E2.2 U2_U_L9963E2.63 | length 4.3
  Top Layer w0.152: U2_U_L9963E2.63@42.888,60.719 44.805,60.719 45.135,61.049 C24_U_L9963E2.2@45.135,62.951
NetC47_U_L9963E1_2: C47_U_L9963E1.2 R56_U_L9963E1.2 U4_U_L9963E1.4 | length 4.3
  Top Layer w0.152: U4_U_L9963E1.4@87.351,13.296 U4_U_L9963E1.4@87.376,13.322
  Top Layer w0.533: U4_U_L9963E1.4@87.376,13.322 C47_U_L9963E1.2@87.376,15.76 R56_U_L9963E1.2@87.376,17.564 87.376,17.586 R56_U_L9963E1.2@87.379,17.589